# Altium PCB RK_NVR_DEMO1_RK3588_LP4XD200P232SD8_V21_20211228_final_lint.PcbDoc (part 25 of 29)
Units mm, origin at the board's own origin, x right, y up, seen from the top; angles counter-clockwise.
Board outline 170.08 x 169.98 mm, 8 copper layers (TOP, L2-GND1, L3-POWER1, L4-S1, L5-GND2, L6-S2, L7-GND3, BOTTOM), stack 2.118 mm thick; 1650 components, 1119 nets, 6165 pads, 15417 vias.
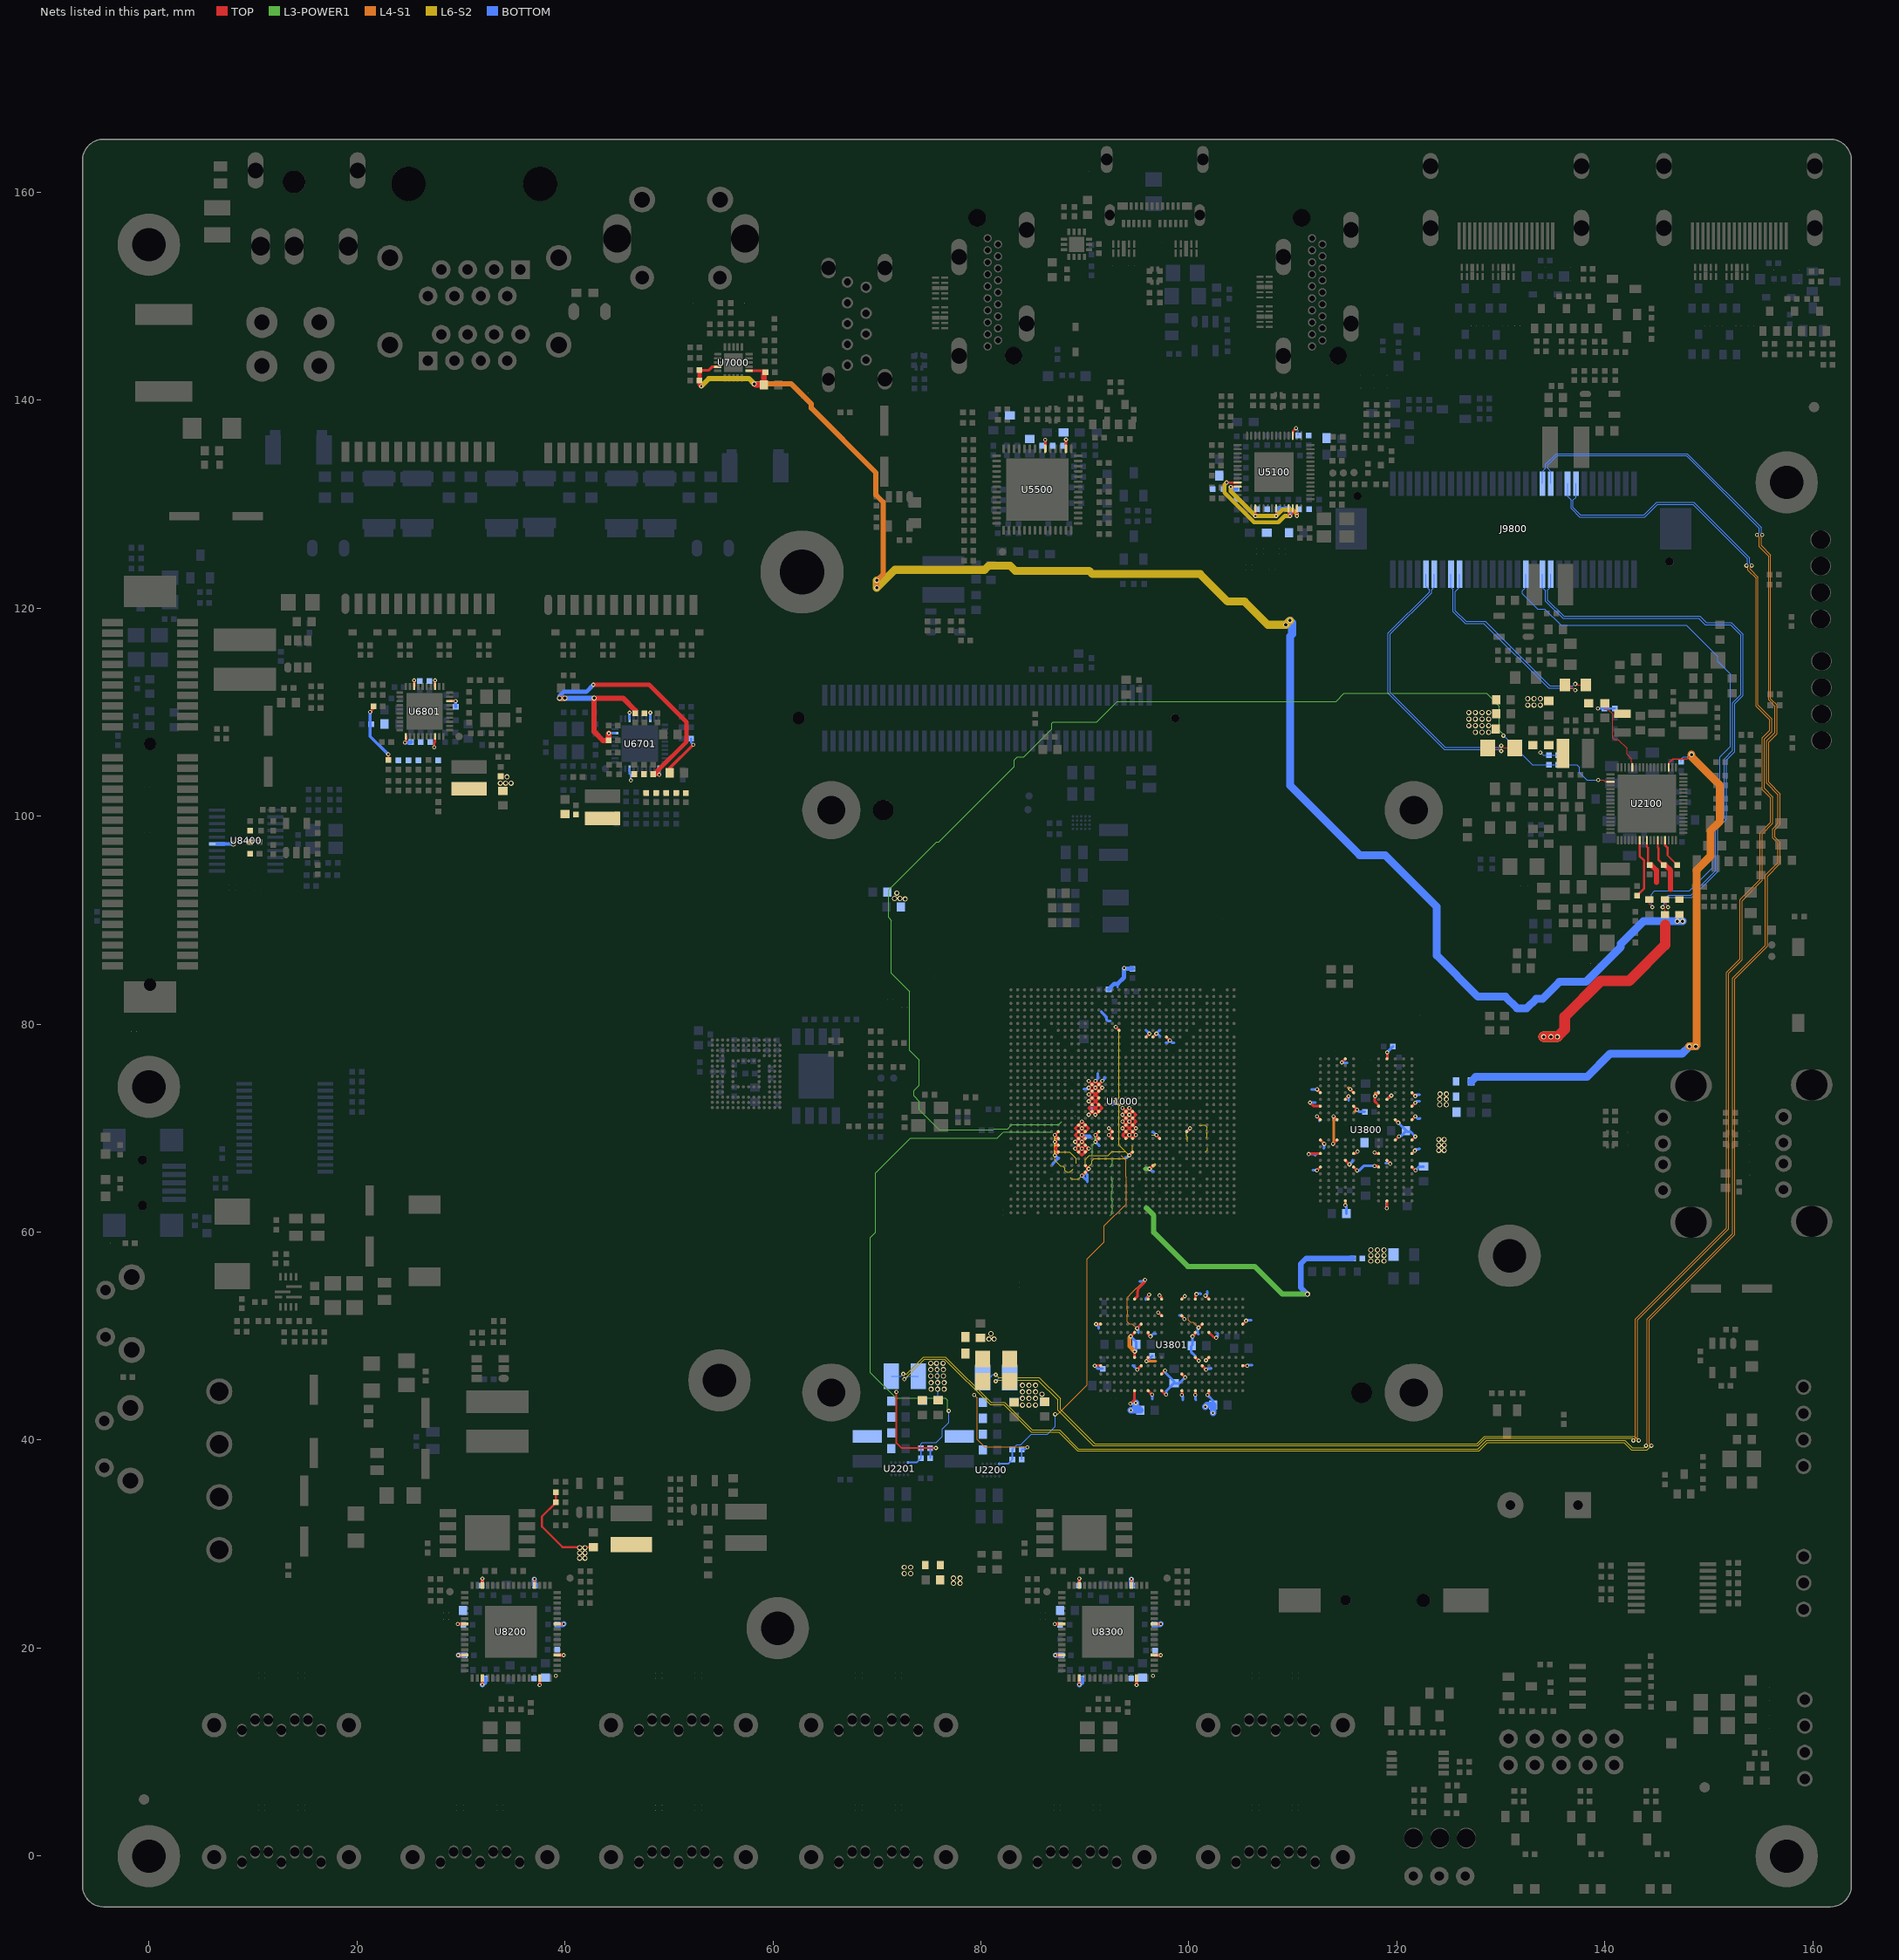
[diagram p31: the nets of this part, all layers, seen from the top]

## Via types
v1: diameter 0.4, hole 0.2, TOP to BOTTOM, 1688 vias
v2: diameter 0.4/0.4 (per signal layer), hole 0.2, TOP to L2-GND1, 1605 vias
v3: diameter 0/0/0/0/0/0/0/0.4 (per signal layer), hole 0.2, TOP to BOTTOM, 1253 vias
v4: diameter 0.4/0/0/0/0/0/0/0 (per signal layer), hole 0.2, TOP to BOTTOM, 1253 vias
v5: diameter 0.5, hole 0.3, TOP to BOTTOM, 857 vias
v6: diameter 0.4/0.4/0.4/0.4/0.4 (per signal layer), hole 0.2, L4-S1 to BOTTOM, 836 vias
v7: diameter 0/0/0/0/0/0/0/0.5 (per signal layer), hole 0.3, TOP to BOTTOM, 772 vias
v8: diameter 0.5/0/0/0/0/0/0/0 (per signal layer), hole 0.3, TOP to BOTTOM, 772 vias
v9: diameter 0.5/0.5 (per signal layer), hole 0.3, TOP to L2-GND1, 766 vias
v10: diameter 0.4/0.4 (per signal layer), hole 0.2, L7-GND3 to BOTTOM, 611 vias
v11: diameter 0.4/0.4/0.4/0.4 (per signal layer), hole 0.2, L5-GND2 to BOTTOM, 579 vias
v12: diameter 0.4 (per signal layer), hole 0.2, L6-S2 to L6-S2, 535 vias
v13: diameter 0.5/0.5/0.5/0.5/0.5 (per signal layer), hole 0.3, L4-S1 to BOTTOM, 457 vias
v14: diameter 0.5/0.5/0.5/0.5 (per signal layer), hole 0.3, L5-GND2 to BOTTOM, 455 vias
v15: diameter 0.4 (per signal layer), hole 0.2, L5-GND2 to L5-GND2, 418 vias
v16: diameter 0.5/0.5/0.5 (per signal layer), hole 0.3, TOP to L3-POWER1, 306 vias
v17: diameter 0.4 (per signal layer), hole 0.2, L4-S1 to L4-S1, 300 vias
v18: diameter 0.4/0.4/0.4 (per signal layer), hole 0.2, TOP to L3-POWER1, 287 vias
v19: diameter 0.5 (per signal layer), hole 0.3, L3-POWER1 to L3-POWER1, 242 vias
v20: diameter 0.5 (per signal layer), hole 0.3, L4-S1 to L4-S1, 240 vias
v21: diameter 0.5/0.5 (per signal layer), hole 0.3, L7-GND3 to BOTTOM, 192 vias
v22: diameter 0.5 (per signal layer), hole 0.3, L6-S2 to L6-S2, 166 vias
v23: diameter 0.4/0.4/0.4/0.4/0.4 (per signal layer), hole 0.2, TOP to L5-GND2, 134 vias
v24: diameter 0.5 (per signal layer), hole 0.3, L5-GND2 to L5-GND2, 114 vias
v25: diameter 0.5/0.5 (per signal layer), hole 0.3, L3-POWER1 to L4-S1, 111 vias
v26: diameter 0.4 (per signal layer), hole 0.2, L3-POWER1 to L3-POWER1, 93 vias
v27: diameter 0.4/0.4 (per signal layer), hole 0.2, L4-S1 to L5-GND2, 59 vias
v28: diameter 0.4/0.4/0/0/0.4/0/0.4/0.4 (per signal layer), hole 0.2, TOP to BOTTOM, 56 vias
v29: diameter 0.4/0/0/0.4/0/0/0/0.4 (per signal layer), hole 0.2, TOP to BOTTOM, 51 vias
v30: diameter 0.5/0.5 (per signal layer), hole 0.3, L4-S1 to L5-GND2, 46 vias
v31: diameter 0.4/0/0/0/0/0.4/0/0.4 (per signal layer), hole 0.2, TOP to BOTTOM, 42 vias
v32: diameter 0.5/0.5/0.5/0.5/0.5 (per signal layer), hole 0.3, TOP to L5-GND2, 32 vias
v33: diameter 0.4/0.4 (per signal layer), hole 0.2, L3-POWER1 to L4-S1, 29 vias
v34: diameter 0.4/0/0.4/0/0/0/0/0.4 (per signal layer), hole 0.2, TOP to BOTTOM, 29 vias
v35: diameter 0.4/0.4/0/0/0.4/0.4/0.4/0.4 (per signal layer), hole 0.2, TOP to BOTTOM, 21 vias
v36: diameter 0.5/0.5/0.5/0/0.5/0.5/0.5/0.5 (per signal layer), hole 0.3, TOP to BOTTOM, 4 vias
v37: diameter 0.5/0.5/0/0.5/0.5/0.5/0.5/0.5 (per signal layer), hole 0.3, TOP to BOTTOM, 3 vias
v38: diameter 0.4/0/0.4/0.4/0/0/0/0.4 (per signal layer), hole 0.2, TOP to BOTTOM, 2 vias
v39: diameter 0.4/0.4/0.4/0/0.4/0/0.4/0.4 (per signal layer), hole 0.2, TOP to BOTTOM, 1 vias

## Nets (pads, with @x,y where several pads share a name; then routed paths per layer and width w, separated by ;. In a path a pad name is that pad's centre, name@x,y a point inside that pad or via, vN(x,y) a via of type N, cw(c..) or ccw(c..) an arc to the next point about the centre after c; other vN are vias at no path point) (continued)
VCCA1V8_IMAGE_P: C2157.1 J9800.28 R2133.1 U2100.58 | length 59.7
  TOP w0.102: R2133.1@144.263,91.975 144.263,91.555 v4(144.568,91.25)
  TOP w0.203: C2157.1@143.107,92.374 143.781,93.048 143.781,95.72 143.338,96.163 U2100.58@143.338,97.703
  BOTTOM w0.102: J9800.28@132.408,123.273 132.408,121.99 132.071,121.654 132.071,121.389 133.534,119.926 134.205,119.926 135.78,118.352 147.845,118.352 150.842,115.354 150.842,114.897 152.087,113.653 152.087,106.718 151.071,105.702 151.071,99.911 150.359,99.2 150.359,95.032 148.127,92.799 144.771,92.799 144.467,92.494 144.467,91.351 v4(144.568,91.25)
  other v3: 144.568,91.25
VCCA1V8_PLDO6: C2158.1 R3800.2 U2100.20 | length 58.1
  TOP w0.14: U2100.20@146.138,104.703 146.138,105.096 146.523,105.48 147.902,105.48 v8(148.327,105.906)
  L4-S1 w0.762: v8(148.124,77.864) v8(148.734,77.864) 148.835,77.966 148.835,94.831 150.156,96.152 150.156,98.616 151.045,99.505 151.045,102.985 148.327,105.702 v8(148.327,105.906)
  BOTTOM w0.102: C2158.1@147.337,105.238 147.337,105.499 147.529,105.691 148.113,105.691 v8(148.327,105.906)
  BOTTOM w0.762: R3800.2@127.141,74.482 127.576,74.918 138.269,74.918 140.504,77.153 147.413,77.153 v8(148.124,77.864) v8(148.734,77.864)
  other v7: 148.124,77.864 148.734,77.864 148.327,105.906
  other v20: 148.124,77.864 148.734,77.864 148.327,105.906
VCCA3V3_PI6C_05: C8423.1 C8424.1 R8422.2 U8400.15 | length 1.6
  BOTTOM w0.305: U8400.15@6.564,97.325 v8(8.119,97.325)
  other v7: 8.119,97.325
VCCA_1V8: C1103.1 C1104.1 C1109.1 C1214.1 C1217.1 C1406.1 C1407.1 C1417.1 C1418.1 C1422.1 C1423.1 C1503.1 C1803.1 C1806.1 C1807.1 C1810.1 C1814.1 C1815.1 C1819.1 J9800.24 R1502.1 R1503.1 R2132.2 R9300.1 U1000.AG11 U1000.AG13 U1000.AG14 U1000.AH18 U1000.G23 U1000.H23 U1000.K16 U1000.K27 U1000.L27 U1000.M12 U1000.M27 U1000.N27 U1000.U18 | length 130.4
  TOP w0.102: v4(145.559,91.25) 145.762,91.047 R2132.2@145.762,90.525
  TOP w0.254: v4(87.116,67.381) U1000.K27@87.441,67.705 87.116,68.031 U1000.L27@87.441,68.356 v4(87.116,68.681) 87.441,69.006 v4(87.116,69.331) U1000.N27@87.441,69.656 ; v4(89.716,65.431) 90.041,65.756 v4(90.366,66.081) U1000.H23@90.041,66.406 ; v4(92.966,72.581) U1000.U18@93.291,72.256 ; v4(92.966,79.731) U1000.AH18@93.291,79.405 ; v4(94.265,67.381) U1000.K16@94.591,67.705 ; U1000.AG14@95.891,78.756 v4(96.215,79.081) ; U1000.AG13@96.541,78.756 v4(96.865,79.081) ; v4(96.865,69.332) U1000.M12@97.191,69.006 ; U1000.AG11@97.841,78.756 v4(98.165,78.431)
  TOP w1.016: v8(134.103,78.778) v8(134.815,78.778) v8(135.424,78.778) 136.135,79.49 136.135,80.709 139.59,84.163 142.333,84.163 145.787,87.618 145.787,89.548
  L6-S2 w0.089: 88.587,65.266 88.746,65.106 89.391,65.106 v4(89.716,65.431) ; 88.875,66.081 88.55,65.756 88.281,65.756 88.091,65.947 88.091,66.131 87.859,66.364 87.674,66.364 87.116,66.922 v4(87.116,67.381) 87.441,67.705 88.549,67.705 89.171,67.084 89.171,66.626 ; 90.04,66.597 90.04,66.973 90.441,67.374 92.219,67.374 92.6,67.755 93.892,67.755 ; v3@90.175,66.081 90.69,66.597 90.69,66.864 90.882,67.056 93.941,67.056 v4(94.265,67.381) 93.892,67.755 ; v4(92.966,79.731) 93.291,79.406 93.291,72.905 v4(92.966,72.581) 93.291,72.256 93.291,68.356 93.892,67.755 ; 94.378,67.602 94.581,67.806 94.581,67.888 94.59,67.897 94.59,68.165 94.581,68.175 94.581,68.314 ; 96.407,69.332 v4(96.865,69.332)
  L6-S2 w0.254: v4(87.116,67.381) 87.116,68.681 v4(87.116,69.331)
  L6-S2 w1.016: v8(134.103,78.778) v8(134.815,78.778) v8(135.424,78.778)
  BOTTOM w0.102: J9800.24@134.008,123.273 134.008,121.952 134.307,121.654 134.307,120.68 135.949,119.037 149.013,119.037 149.648,118.402 152.078,118.402 153.077,117.404 153.077,111.7 152.29,110.913 152.29,106.312 151.477,105.499 151.477,99.81 150.664,98.997 150.664,94.762 148.295,92.393 146.109,92.393 145.686,91.969 145.686,91.377 v4(145.559,91.25)
  BOTTOM w0.203: C1806.1@93.155,83.546 93.155,83.88
  BOTTOM w0.254: C1819.1@86.91,66.523 86.91,66.566 87.493,67.149 87.348,67.149 v4(87.116,67.381) 87.202,67.467 C1803.1@87.202,68.009 87.202,68.594 v4(87.116,68.681) 87.333,68.898 87.499,68.898 87.499,68.948 v4(87.116,69.331) ; C1807.1@90.225,64.834 90.225,64.922 ; v4(90.366,66.081) 90.093,65.808 90.093,65.672 ; R9300.1@91.588,81.217 91.588,81.162 92.088,80.662 C1503.1@92.088,80.582 ; 92.088,80.564 92.088,80.404 92.19,80.302 92.435,80.302 ; C1109.1@92.65,72.25 92.65,72.264 v4(92.966,72.581) ; C1214.1@93.866,67.152 94.037,67.152 v4(94.265,67.381) ; 95.843,78.809 95.944,78.809 v4(96.215,79.081) 95.887,79.409 95.843,79.409 ; C1217.1@96.478,69.605 96.592,69.605 v4(96.865,69.332) ; 97.223,78.834 96.976,79.081 v4(96.865,79.081) 97.219,79.434 97.248,79.434 ; C1418.1@97.778,78.207 97.941,78.207 v4(98.165,78.431) 98.39,78.207 C1417.1@98.573,78.207 ; 90.093,65.672 90.225,65.54 90.225,64.922 ; 90.093,65.672 89.852,65.431 v4(89.716,65.431) 90.225,64.922
  BOTTOM w0.406: R1502.1@92.288,83.35 92.817,83.88 93.155,83.88 93.768,84.493 v4(93.768,85.382) 93.826,85.324 R1503.1@94.581,85.324
  other v3: 89.716,65.431 90.366,66.081 87.116,67.381 94.265,67.381 87.116,68.681 87.116,69.331 96.865,69.332 92.966,72.581 98.165,78.431 96.215,79.081 96.865,79.081 92.966,79.731 93.768,85.382 145.559,91.25
  other v7: 134.103,78.778 134.815,78.778 135.424,78.778
  other v12: 89.716,65.431 90.366,66.081 87.116,67.381 94.265,67.381 87.116,68.681 87.116,69.331 96.865,69.332 92.966,72.581 98.165,78.431 96.215,79.081 96.865,79.081 92.966,79.731 93.768,85.382
  other v22: 134.103,78.778 134.815,78.778 135.424,78.778
VCCA_1V8_P: C2155.1 J9800.22 R2132.1 U2100.60 | length 58.8
  TOP w0.102: R2132.1@145.762,91.975 145.762,91.555 v4(146.067,91.25)
  TOP w0.203: U2100.60@144.038,97.703 144.038,97.054 144.151,96.941 144.151,95.871 144.155,95.866 144.155,95.453 C2155.1@144.302,95.307
  TOP w0.508: C2155.1@144.302,95.307 144.454,95.307 144.962,94.799 144.962,93.619
  BOTTOM w0.102: J9800.22@134.808,123.273 134.808,122.053 134.51,121.755 134.51,120.765 136.034,119.241 149.115,119.241 149.75,118.606 152.163,118.606 153.28,117.488 153.28,111.615 152.493,110.828 152.493,106.21 151.68,105.398 151.68,99.708 150.867,98.895 150.867,94.677 148.379,92.19 146.194,92.19 145.889,91.885 145.889,91.428 v4(146.067,91.25)
  other v3: 146.067,91.25
VCCA_3V3: C7008.1 C7009.1 C7010.1 C7011.1 R2135.2 U7000.4 U7000.11 | length 153.5
  TOP w0.254: C7008.1@52.943,142.888 53.839,142.888 54.176,143.225 U7000.4@54.701,143.225 ; U7000.11@57.702,142.824 59.142,142.824 C7010.1@59.282,142.685
  TOP w0.406: C7008.1@52.943,142.888 C7009.1@52.943,141.877 52.943,141.522 v4(53.115,141.351)
  TOP w0.508: v8(58.208,141.567) 58.31,141.466 C7011.1@59.134,141.466 59.134,142.536 C7010.1@59.282,142.685
  L4-S1 w0.508: v8(58.208,141.567) 61.764,141.567 63.695,139.637 63.695,139.23 69.892,133.033 69.892,130.899 70.603,130.188 70.603,123.279 v8(69.994,122.67) v8(69.994,121.958)
  L6-S2 w0.508: v4(53.115,141.351) 53.839,142.075 57.7,142.075 v8(58.208,141.567)
  L6-S2 w0.762: v8(69.994,122.67) v8(69.994,121.958) 71.721,123.686 80.357,123.686 80.763,124.092 82.795,124.092 83.303,123.584 90.415,123.584 90.72,123.279 101.083,123.279 103.725,120.638 105.351,120.638 107.586,118.402 v8(109.313,118.402) v8(109.719,118.809)
  BOTTOM w0.762: v8(109.313,118.402) v8(109.719,118.809) 109.923,118.606 109.923,117.488 109.719,117.285 109.719,102.959 116.425,96.254 118.863,96.254 123.842,91.275 123.842,86.602 127.804,82.639 130.446,82.639 131.563,81.522 132.478,81.522 133.392,82.436 134.002,82.436 135.627,84.062 138.167,84.062 141.52,87.414 141.52,87.719 143.7,89.899 v8(146.956,89.899) v8(147.464,89.899)
  other v3: 53.115,141.351
  other v7: 146.956,89.899 147.464,89.899 109.313,118.402 109.719,118.809 69.994,121.958 69.994,122.67 58.208,141.567
  other v12: 53.115,141.351
  other v20: 69.994,121.958 69.994,122.67 58.208,141.567
  other v22: 109.313,118.402 109.719,118.809 69.994,121.958 69.994,122.67 58.208,141.567
VCCA_3V3_P: C2160.1 R2135.1 U2100.63 | length 5.3
  TOP w0.203: U2100.63@145.088,97.703 145.088,96.973 145.161,96.9 145.161,95.781 C2160.1@145.635,95.307
  TOP w0.508: C2160.1@145.635,95.307 145.788,95.307 146.313,94.782 146.313,92.988
VCCA_ASPVCC33: C5115.1 C5116.1 C5117.1 C5118.1 FB5101.2 U5100.24 U5100.39 U5100.40 | length 13.2
  TOP w0.203: v4(103.623,132.081) U5100.24@104.688,132.081 ; U5100.39@109.588,129.58 109.588,128.998 v4(109.719,128.867) 109.988,129.136 U5100.40@109.988,129.58
  L6-S2 w0.406: v4(103.623,132.081) 103.42,131.877 103.42,131.102 106.265,128.258 108.602,128.258 109.211,128.867 v4(109.719,128.867)
  BOTTOM w0.406: C5117.1@108.548,129.529 C5118.1@109.551,129.529 109.719,129.361 v4(109.719,128.867)
  other v3: 109.719,128.867 103.623,132.081
  other v12: 109.719,128.867 103.623,132.081
VCCA_PVCC33_6161: C5508.1 C5509.1 FB5500.2 U5500.30 | length 0.9
  TOP w0.254: U5500.30@88.187,135.332 v4(88.187,136.204)
  other v3: 88.187,136.204
VCCA_TPVCC33: C5110.1 C5111.1 FB5100.2 U5100.3 | length 1.7
  TOP w0.203: U5100.3@109.988,136.581 109.988,136.995 v4(110.293,137.3)
  BOTTOM w0.102: v4(110.293,137.3) 110.528,137.065 C5110.1@110.528,136.585
  other v3: 110.293,137.3
VCCIO_PHY0: C6709.1 C6710.1 C6711.1 R6723.1 R6727.1 R6729.1 R6730.2 R6732.1 R6735.1 U6701.28 | length 5.8
  TOP w0.305: C6709.1@50.245,104.336 C6709.1@50.063,104.154 50.063,104.593 v4(52.341,106.871)
  BOTTOM w0.203: U6701.28@46.21,104.572 46.21,104.086 46.321,103.975 46.321,103.463 v4(46.342,103.442) ; R6735.1@52.13,107.466 52.13,107.082 v4(52.341,106.871)
  other v3: 46.342,103.442 52.341,106.871
VCCIO_PHY1: C6808.1 C6809.1 C6810.1 R6822.1 R6824.1 R6827.1 R6829.1 R6830.2 R6832.1 R6835.1 U6801.28 | length 7.1
  TOP w0.203: v4(21.277,110.02) 21.589,110.333 R6835.1@21.589,110.564 ; R6822.1@23.013,105.385 v4(23.013,105.94) ; v4(27.43,106.617) 27.43,107.049 27.509,107.128 U6801.28@27.509,107.671
  BOTTOM w0.305: v4(21.277,110.02) 21.277,107.676 v4(23.013,105.94)
  other v3: 23.013,105.94 27.43,106.617 21.277,110.02
VCCIO_SD_P: C2163.1 U2100.65 | length 2.9
  TOP w0.152: 146.016,96.355 146.016,96.234 C2163.1@146.944,95.307
  TOP w0.203: U2100.65@145.788,97.703 145.788,97.192 146.016,96.965 146.016,96.355
VDD1_1V8_DDR: C3800.1 C3801.1 C3802.1 C3803.1 C3804.1 C3805.1 C3806.1 C3807.1 C3808.1 C3845.1 C3846.1 C3847.1 C3848.1 C3849.1 C3850.1 C3851.1 C3852.1 C3853.1 R3800.1 R3803.1 U3800.F1 U3800.F12 U3800.G4 U3800.G9 U3800.T4 U3800.T9 U3800.U1 U3800.U12 U3801.F1 U3801.F12 U3801.G4 U3801.G9 U3801.T4 U3801.T9 U3801.U1 U3801.U12 | length 22.7
  TOP w0.254: v4(95.039,46.774) U3801.T9@95.421,47.156 ; v4(112.297,65.939) 112.323,65.939 U3800.U1@112.641,66.256 ; v4(112.323,73.724) U3800.F1@112.641,73.407 ; U3800.G4@115.041,72.757 v4(115.353,73.069) ; U3800.F12@121.441,73.407 v4(121.766,73.082)
  L4-S1 w0.102: v29(95.02,50.742) 94.982,50.742 94.531,51.193 94.266,51.193 94.072,51.387 94.072,52.088 94.127,52.144 94.127,52.418 94.072,52.473 94.072,53.708 94.132,53.767 94.143,53.767 94.337,53.961 94.337,53.972 v29(95.775,55.41) ; 99.944,51.811 99.944,51.537 100.138,51.343 100.401,51.343 v29(100.93,50.814)
  BOTTOM w0.254: C3849.1@94.606,47.185 94.788,47.003 94.81,47.003 v4(95.039,46.774) ; v29(95.02,50.742) 95.02,50.729 95.144,50.606 C3852.1@95.144,50.305 ; C3853.1@95.267,55.254 95.619,55.254 v29(95.775,55.41) ; v29(100.93,50.814) 100.93,50.789 100.853,50.713 100.853,50.257 C3851.1@100.932,50.179 ; v29(101.591,53.886) 101.769,54.064 C3847.1@101.769,54.297 ; v29(101.647,46.78) 101.744,46.877 102.121,46.877 C3850.1@102.121,46.902 ; C3848.1@101.896,44.739 101.896,44.438 v29(101.791,44.332) 102.314,43.809 C3846.1@102.314,43.371 ; C3808.1@111.773,73.724 v4(112.323,73.724) ; C3806.1@111.9,65.977 112.259,65.977 v4(112.297,65.939) ; C3804.1@115.337,72.657 115.353,72.673 v4(115.353,73.069) ; v29(115.436,66.511) 115.743,66.819 C3803.1@115.743,66.917 ; C3807.1@118.907,66.634 119.313,66.634 v29(119.366,66.582) ; C3805.1@119.037,72.796 119.165,72.924 119.232,72.924 119.435,73.127 v29(119.46,73.127) ; v4(121.766,73.082) 121.904,73.22 C3802.1@122.191,73.22 ; v29(121.791,65.932) 121.791,65.957 122.13,66.296 C3800.1@122.572,66.296
  BOTTOM w0.635: v4(94.429,42.863) C3845.1@95.329,42.863 94.886,43.306 v4(94.886,43.574) ; v4(101.591,43.218) 101.744,43.371 C3846.1@102.314,43.371 v4(102.314,42.62)
  other v3: 102.314,42.62 94.429,42.863 101.591,43.218 94.886,43.574 95.039,46.774 112.297,65.939 115.353,73.069 121.766,73.082 112.323,73.724
  other v7: 124.02,67.856 124.553,67.856 124.02,68.364 124.553,68.364 124.02,68.898 124.553,68.898 124.121,72.251 124.756,72.251 124.121,72.784 124.756,72.784 124.147,73.292 124.756,73.292
  other v8: 124.02,67.856 124.553,67.856 124.02,68.364 124.553,68.364 124.02,68.898 124.553,68.898 124.121,72.251 124.756,72.251 124.121,72.784 124.756,72.784 124.147,73.292 124.756,73.292
  other v17: 102.314,42.62 94.429,42.863 101.591,43.218 94.886,43.574 95.039,46.774 112.297,65.939 115.353,73.069 121.766,73.082 112.323,73.724
  other v20: 124.02,67.856 124.553,67.856 124.02,68.364 124.553,68.364 124.02,68.898 124.553,68.898 124.121,72.251 124.756,72.251 124.121,72.784 124.756,72.784 124.147,73.292 124.756,73.292
  other v29: 94.378,43.498
VDD1V2_SATAPM0: C8243.1 C8244.1 C8245.1 C8246.1 C8247.1 C8248.1 C8249.1 C8250.1 C8251.1 C8252.1 C8253.1 C8254.1 L8201.2 R8216.1 R8312.1 U8200.4 U8200.14 U8200.23 U8200.29 U8200.35 U8200.46 U8200.52 U8200.58 | length 17.4
  TOP w0.203: C8243.1@39.14,35 R8216.1@39.14,34.015 37.787,32.662 37.787,31.687 39.758,29.715 C8244.1@42.736,29.715
  TOP w0.305: v4(29.696,22.328) U8200.23@30.365,22.328 ; v4(29.749,19.328) U8200.29@30.365,19.328 ; v4(32.065,16.491) U8200.35@32.065,17.127 ; U8200.14@32.065,26.028 v4(32.065,26.69) ; U8200.4@37.065,26.028 v4(37.065,26.632) ; v4(37.565,16.447) U8200.46@37.565,17.127 ; U8200.52@39.265,19.328 v4(39.895,19.328) ; U8200.58@39.265,22.328 v4(39.895,22.328)
  BOTTOM w0.508: v4(29.749,19.328) 29.775,19.328 29.784,19.318 C8249.1@30.352,19.318 ; v4(32.065,16.491) 32.273,16.699 C8247.1@32.273,17.075 ; v4(37.065,26.632) 37.065,26.063 C8254.1@37.127,26 ; C8253.1@39.261,22.262 39.829,22.262 v4(39.895,22.328)
  other v3: 37.565,16.447 32.065,16.491 39.133,17.336 29.749,19.328 39.895,19.328 29.696,22.328 39.895,22.328 37.065,26.632 32.065,26.69
  other v4: 39.133,17.336
  other v7: 72.635,27.166 73.245,27.166 72.635,27.775 73.245,27.775 41.419,28.639 41.927,28.639 41.419,29.147 41.927,29.147 41.419,29.655 41.927,29.655
  other v8: 72.635,27.166 73.245,27.166 72.635,27.775 73.245,27.775 41.419,28.639 41.927,28.639 41.419,29.147 41.927,29.147 41.419,29.655 41.927,29.655
  other v17: 37.565,16.447 32.065,16.491 39.133,17.336 29.749,19.328 39.895,19.328 29.696,22.328 39.895,22.328 37.065,26.632 32.065,26.69
  other v20: 41.419,28.639 41.927,28.639 41.419,29.147 41.927,29.147 41.419,29.655 41.927,29.655
  other v22: 72.635,27.166 73.245,27.166 72.635,27.775 73.245,27.775 41.927,28.639 41.927,29.147 41.927,29.655
VDD1V2_SATAPM1: C8339.1 C8340.1 C8341.1 C8342.1 C8343.1 C8344.1 C8345.1 C8346.1 C8347.1 C8348.1 C8349.1 R8312.2 U8300.4 U8300.14 U8300.23 U8300.29 U8300.35 U8300.46 U8300.52 U8300.58 | length 7.7
  TOP w0.305: v4(87.1,22.328) U8300.23@87.769,22.328 ; v4(87.153,19.328) U8300.29@87.769,19.328 ; v4(89.469,16.491) U8300.35@89.469,17.127 ; U8300.14@89.469,26.028 v4(89.469,26.69) ; U8300.4@94.469,26.028 v4(94.469,26.632) ; v4(94.969,16.447) U8300.46@94.969,17.127 ; U8300.52@96.669,19.328 v4(97.299,19.328) ; U8300.58@96.669,22.328 v4(97.299,22.328)
  BOTTOM w0.508: v4(87.153,19.328) 87.179,19.328 87.188,19.318 C8342.1@87.756,19.318 ; v4(89.469,16.491) 89.677,16.699 C8343.1@89.677,17.075 ; v4(94.469,26.632) 94.469,26.063 C8349.1@94.531,26 ; C8348.1@96.665,22.262 97.233,22.262 v4(97.299,22.328)

## Text inside footprints (layer, text, board x,y; h text height)
D6806: PIN_NUMBER "2" at 25.569,129.36 h0.25 r270; PIN_NUMBER "1" at 25.569,133.86 h0.25 r270; ASSEMBLY_TOP "BA301N" at 25.163,130.213 h0.25 r180; Bottom Overlay "BA301N" at 27.169,131.229 h0.25 r270
D6807: PIN_NUMBER "2" at 33.697,129.36 h0.25 r270; PIN_NUMBER "1" at 33.697,133.86 h0.25 r270; ASSEMBLY_TOP "BA301N" at 33.291,130.213 h0.25 r180; Bottom Overlay "BA301N" at 35.297,131.229 h0.25 r270
D7000: PIN_NUMBER "2" at 50.982,149.314 h0.25 r180; PIN_NUMBER "1" at 52.239,149.334 h0.25 r180; ASSEMBLY_TOP "ESD5451N" at 50.893,149.187 h0.25
D7001: PIN_NUMBER "2" at 58.424,149.354 h0.25; PIN_NUMBER "1" at 57.167,149.334 h0.25; ASSEMBLY_TOP "ESD5451N" at 57.091,149.227 h0.25
D9100: PIN_NUMBER "2" at 5.059,66.768 h0.25 r90; PIN_NUMBER "1" at 5.039,65.511 h0.25 r90; ASSEMBLY_TOP "ESD5341N" at 4.474,66.146 h0.25 r270
D9101: PIN_NUMBER "2" at 5.059,62.639 h0.25 r270; PIN_NUMBER "1" at 5.078,63.897 h0.25 r270; ASSEMBLY_TOP "ESD5341N" at 4.474,63.262 h0.25 r270
D9102: PIN_NUMBER "2" at 157.79,124.933 h0.25 r90; PIN_NUMBER "1" at 157.81,123.676 h0.25 r90; ASSEMBLY_TOP "ESD5341N" at 157.206,124.311 h0.25 r90
D9103: PIN_NUMBER "2" at 157.79,120.711 h0.25 r270; PIN_NUMBER "1" at 157.77,121.968 h0.25 r270; ASSEMBLY_TOP "ESD5341N" at 157.206,121.333 h0.25 r90
D9104: PIN_NUMBER "2" at 157.94,113.198 h0.25 r90; PIN_NUMBER "1" at 157.96,111.941 h0.25 r90; ASSEMBLY_TOP "ESD5341N" at 157.356,112.576 h0.25 r90
D9105: PIN_NUMBER "2" at 157.94,108.976 h0.25 r270; PIN_NUMBER "1" at 157.92,110.233 h0.25 r270; ASSEMBLY_TOP "ESD5341N" at 157.356,109.598 h0.25 r90
D9200: PIN_NUMBER "2" at -5.07,58.931 h0.25 r180; PIN_NUMBER "1" at -3.812,58.951 h0.25 r180; ASSEMBLY_TOP "ESD5451N" at -5.158,58.804 h0.25
D9201: PIN_NUMBER "2" at -5.298,46.054 h0.25 r180; PIN_NUMBER "1" at -4.041,46.073 h0.25 r180; ASSEMBLY_TOP "ESD5451N" at -5.387,45.927 h0.25
D9502: PIN_NUMBER "1" at 146.143,10.837 h0.64 r90; PIN_NUMBER "2" at 146.143,14.437 h0.64 r90; ASSEMBLY_TOP "B5819W" at 146.397,12.637 h0.64 r90
ED2100: PIN_NUMBER "2" at 145.144,97.913 h0.25 r135; PIN_NUMBER "1" at 146.019,97.01 h0.25 r135; ASSEMBLY_TOP "AZ5825-01F" at 144.67,97.346 h0.25 r180
ED2500: PIN_NUMBER "8" at 99.47,154.177 h0.64 r180; PIN_NUMBER "3" at 99.47,154.967 h0.64 r180; PIN_NUMBER "4" at 98.97,155.009 h0.64 r180; PIN_NUMBER "7" at 98.97,154.135 h0.64 r180; PIN_NUMBER "5" at 98.47,155.009 h0.64 r180; PIN_NUMBER "6" at 98.47,154.135 h0.64 r180; PIN_NUMBER "9" at 99.97,154.135 h0.64 r180; PIN_NUMBER "2" at 99.97,155.009 h0.64 r180; PIN_NUMBER "10" at 100.216,154.135 h0.64 r180; PIN_NUMBER "1" at 100.47,155.009 h0.64 r180; ASSEMBLY_TOP "ESD73034D" at 98.81,154.445 h0.25
ED2501: PIN_NUMBER "8" at 93.476,154.177 h0.64 r180; PIN_NUMBER "3" at 93.476,154.967 h0.64 r180; PIN_NUMBER "4" at 92.976,155.009 h0.64 r180; PIN_NUMBER "7" at 92.976,154.135 h0.64 r180; PIN_NUMBER "1" at 94.476,155.009 h0.64 r180; PIN_NUMBER "10" at 94.222,154.135 h0.64 r180; PIN_NUMBER "2" at 93.975,155.009 h0.64 r180; PIN_NUMBER "9" at 93.975,154.135 h0.64 r180; PIN_NUMBER "5" at 92.476,155.009 h0.64 r180; PIN_NUMBER "6" at 92.476,154.135 h0.64 r180; ASSEMBLY_TOP "ESD73034D" at 92.815,154.445 h0.25
ED5000: PIN_NUMBER "3" at 149.433,151.942 h0.64; PIN_NUMBER "8" at 149.433,152.732 h0.64; PIN_NUMBER "9" at 148.933,152.774 h0.64; PIN_NUMBER "2" at 148.933,151.899 h0.64; PIN_NUMBER "10" at 148.179,152.774 h0.64; PIN_NUMBER "1" at 148.433,151.899 h0.64; PIN_NUMBER "6" at 150.433,152.774 h0.64; PIN_NUMBER "5" at 150.433,151.899 h0.64; PIN_NUMBER "7" at 149.933,152.774 h0.64; PIN_NUMBER "4" at 149.933,151.899 h0.64; ASSEMBLY_TOP "ESD73034D" at 148.772,152.21 h0.25
ED5001: PIN_NUMBER "3" at 152.435,151.942 h0.64; PIN_NUMBER "8" at 152.435,152.732 h0.64; PIN_NUMBER "7" at 152.935,152.774 h0.64; PIN_NUMBER "4" at 152.935,151.899 h0.64; PIN_NUMBER "9" at 151.935,152.774 h0.64; PIN_NUMBER "2" at 151.935,151.899 h0.64; PIN_NUMBER "10" at 151.181,152.774 h0.64; PIN_NUMBER "1" at 151.435,151.899 h0.64; PIN_NUMBER "5" at 153.435,151.899 h0.64; PIN_NUMBER "6" at 153.435,152.774 h0.64; ASSEMBLY_TOP "ESD73034D" at 151.775,152.21 h0.25
ED5002: PIN_NUMBER "2" at 158.577,151.257 h0.25 r270; PIN_NUMBER "1" at 158.557,152.515 h0.25 r270; ASSEMBLY_TOP "ESD5341N" at 157.993,151.88 h0.25 r90
ED5003: PIN_NUMBER "2" at 157.426,151.245 h0.25 r270; PIN_NUMBER "1" at 157.406,152.503 h0.25 r270; ASSEMBLY_TOP "ESD5341N" at 156.841,151.868 h0.25 r90
ED5004: PIN_NUMBER "2" at 156.164,151.257 h0.25 r270; PIN_NUMBER "1" at 156.144,152.515 h0.25 r270; ASSEMBLY_TOP "ESD5341N" at 155.58,151.88 h0.25 r90
ED5005: PIN_NUMBER "2" at 154.962,151.245 h0.25 r270; PIN_NUMBER "1" at 154.942,152.503 h0.25 r270; ASSEMBLY_TOP "ESD5341N" at 154.378,151.868 h0.25 r90
ED5006: PIN_NUMBER "3" at 126.979,151.942 h0.64; PIN_NUMBER "8" at 126.979,152.732 h0.64; PIN_NUMBER "7" at 127.479,152.774 h0.64; PIN_NUMBER "4" at 127.479,151.899 h0.64; PIN_NUMBER "9" at 126.479,152.774 h0.64; PIN_NUMBER "2" at 126.479,151.899 h0.64; PIN_NUMBER "10" at 125.725,152.774 h0.64; PIN_NUMBER "1" at 125.979,151.899 h0.64; PIN_NUMBER "6" at 127.979,152.774 h0.64; PIN_NUMBER "5" at 127.979,151.899 h0.64; ASSEMBLY_TOP "ESD73034D" at 126.319,152.21 h0.25
ED5007: PIN_NUMBER "8" at 129.981,152.732 h0.64; PIN_NUMBER "3" at 129.981,151.942 h0.64; PIN_NUMBER "9" at 129.482,152.774 h0.64; PIN_NUMBER "2" at 129.482,151.899 h0.64; PIN_NUMBER "7" at 130.481,152.774 h0.64; PIN_NUMBER "4" at 130.481,151.899 h0.64; PIN_NUMBER "6" at 130.981,152.774 h0.64; PIN_NUMBER "5" at 130.981,151.899 h0.64; PIN_NUMBER "10" at 128.727,152.774 h0.64; PIN_NUMBER "1" at 128.981,151.899 h0.64; ASSEMBLY_TOP "ESD73034D" at 129.321,152.21 h0.25
ED5008: PIN_NUMBER "2" at 136.631,151.511 h0.25 r270; PIN_NUMBER "1" at 136.611,152.769 h0.25 r270; ASSEMBLY_TOP "ESD5341N" at 136.047,152.134 h0.25 r90
ED5009: PIN_NUMBER "2" at 135.48,151.499 h0.25 r270; PIN_NUMBER "1" at 135.46,152.757 h0.25 r270; ASSEMBLY_TOP "ESD5341N" at 134.896,152.122 h0.25 r90
ED5010: PIN_NUMBER "2" at 134.218,151.511 h0.25 r270; PIN_NUMBER "1" at 134.198,152.769 h0.25 r270; ASSEMBLY_TOP "ESD5341N" at 133.634,152.134 h0.25 r90
ED5011: PIN_NUMBER "2" at 133.016,151.499 h0.25 r270; PIN_NUMBER "1" at 132.996,152.757 h0.25 r270; ASSEMBLY_TOP "ESD5341N" at 132.432,152.122 h0.25 r90
ED5100: PIN_NUMBER "8" at 107.422,150.876 h0.64 r270; PIN_NUMBER "3" at 106.632,150.876 h0.64 r270; PIN_NUMBER "2" at 106.59,151.376 h0.64 r270; PIN_NUMBER "9" at 107.464,151.376 h0.64 r270; PIN_NUMBER "4" at 106.59,150.376 h0.64 r270; PIN_NUMBER "7" at 107.464,150.376 h0.64 r270; PIN_NUMBER "5" at 106.59,149.876 h0.64 r270; PIN_NUMBER "6" at 107.464,149.876 h0.64 r270; PIN_NUMBER "1" at 106.59,151.876 h0.64 r270; PIN_NUMBER "10" at 107.21,151.876 h0.64 r270; ASSEMBLY_TOP "ESD73034D" at 106.494,150.876 h0.25 r90
ED5101: PIN_NUMBER "8" at 107.422,148.031 h0.64 r270; PIN_NUMBER "3" at 106.632,148.031 h0.64 r270; PIN_NUMBER "1" at 106.59,149.031 h0.64 r270; PIN_NUMBER "10" at 107.21,149.031 h0.64 r270; PIN_NUMBER "4" at 106.59,147.531 h0.64 r270; PIN_NUMBER "7" at 107.464,147.531 h0.64 r270; PIN_NUMBER "5" at 106.59,147.031 h0.64 r270; PIN_NUMBER "6" at 107.464,147.031 h0.64 r270; PIN_NUMBER "2" at 106.59,148.531 h0.64 r270; PIN_NUMBER "9" at 107.464,148.531 h0.64 r270; ASSEMBLY_TOP "ESD73034D" at 106.494,148.031 h0.25 r90
ED5102: PIN_NUMBER "2" at 116.425,141.148 h0.25 r270; PIN_NUMBER "1" at 116.405,142.405 h0.25 r270; ASSEMBLY_TOP "ESD5341N" at 115.841,141.77 h0.25 r90
ED5103: PIN_NUMBER "2" at 118.965,141.148 h0.25 r270; PIN_NUMBER "1" at 118.945,142.405 h0.25 r270; ASSEMBLY_TOP "ESD5341N" at 118.381,141.77 h0.25 r90
ED5104: PIN_NUMBER "2" at 117.695,141.148 h0.25 r270; PIN_NUMBER "1" at 117.675,142.405 h0.25 r270; ASSEMBLY_TOP "ESD5341N" at 117.111,141.77 h0.25 r90
ED5500: PIN_NUMBER "3" at 75.441,150.774 h0.64 r270; PIN_NUMBER "8" at 76.231,150.774 h0.64 r270; PIN_NUMBER "2" at 75.398,151.274 h0.64 r270; PIN_NUMBER "9" at 76.273,151.274 h0.64 r270; PIN_NUMBER "4" at 75.398,150.274 h0.64 r270; PIN_NUMBER "7" at 76.273,150.274 h0.64 r270; PIN_NUMBER "5" at 75.398,149.774 h0.64 r270; PIN_NUMBER "6" at 76.273,149.774 h0.64 r270; PIN_NUMBER "1" at 75.398,151.774 h0.64 r270; PIN_NUMBER "10" at 76.019,151.774 h0.64 r270; ASSEMBLY_TOP "ESD73034D" at 75.302,150.774 h0.25 r90
ED5501: PIN_NUMBER "3" at 75.441,147.929 h0.64 r270; PIN_NUMBER "8" at 76.231,147.929 h0.64 r270; PIN_NUMBER "1" at 75.398,148.929 h0.64 r270; PIN_NUMBER "10" at 76.019,148.929 h0.64 r270; PIN_NUMBER "4" at 75.398,147.429 h0.64 r270; PIN_NUMBER "7" at 76.273,147.429 h0.64 r270; PIN_NUMBER "2" at 75.398,148.429 h0.64 r270; PIN_NUMBER "9" at 76.273,148.429 h0.64 r270; PIN_NUMBER "5" at 75.398,146.929 h0.64 r270; PIN_NUMBER "6" at 76.273,146.929 h0.64 r270; ASSEMBLY_TOP "ESD73034D" at 75.302,147.929 h0.25 r90
ED5502: PIN_NUMBER "2" at 87.266,141.554 h0.25 r270; PIN_NUMBER "1" at 87.246,142.812 h0.25 r270; ASSEMBLY_TOP "ESD5341N" at 86.682,142.177 h0.25 r90
ED5503: PIN_NUMBER "2" at 89.806,141.554 h0.25 r270; PIN_NUMBER "1" at 89.786,142.812 h0.25 r270; ASSEMBLY_TOP "ESD5341N" at 89.222,142.177 h0.25 r90
ED5504: PIN_NUMBER "2" at 88.536,141.554 h0.25 r270; PIN_NUMBER "1" at 88.516,142.812 h0.25 r270; ASSEMBLY_TOP "ESD5341N" at 87.952,142.177 h0.25 r90
ED5505: PIN_NUMBER "2" at 91.076,141.554 h0.25 r270; PIN_NUMBER "1" at 91.056,142.812 h0.25 r270; ASSEMBLY_TOP "ESD5341N" at 90.492,142.177 h0.25 r90
ED6700: PIN_NUMBER "2" at 50.43,117.661 h0.25 r180; PIN_NUMBER "1" at 52.829,117.661 h0.25 r180; ASSEMBLY_TOP "UDD32C03L01" at 50.614,117.534 h0.25
ED6701: PIN_NUMBER "2" at 46.62,117.661 h0.25 r180; PIN_NUMBER "1" at 49.019,117.661 h0.25 r180; ASSEMBLY_TOP "UDD32C03L01" at 46.804,117.534 h0.25
ED6702: PIN_NUMBER "1" at 45.209,117.661 h0.25 r180; PIN_NUMBER "2" at 42.81,117.661 h0.25 r180; ASSEMBLY_TOP "UDD32C03L01" at 42.994,117.534 h0.25
ED6703: PIN_NUMBER "2" at 39,117.661 h0.25 r180; PIN_NUMBER "1" at 41.399,117.661 h0.25 r180; ASSEMBLY_TOP "UDD32C03L01" at 39.184,117.534 h0.25
ED6800: PIN_NUMBER "1" at 19.492,117.661 h0.25; PIN_NUMBER "2" at 21.892,117.661 h0.25; ASSEMBLY_TOP "UDD32C03L01" at 19.676,117.534 h0.25
ED6801: PIN_NUMBER "1" at 23.302,117.661 h0.25; PIN_NUMBER "2" at 25.702,117.661 h0.25; ASSEMBLY_TOP "UDD32C03L01" at 23.486,117.534 h0.25
ED6802: PIN_NUMBER "1" at 27.112,117.661 h0.25; PIN_NUMBER "2" at 29.512,117.661 h0.25; ASSEMBLY_TOP "UDD32C03L01" at 27.296,117.534 h0.25
ED6803: PIN_NUMBER "1" at 30.922,117.661 h0.25; PIN_NUMBER "2" at 33.322,117.661 h0.25; ASSEMBLY_TOP "UDD32C03L01" at 31.106,117.534 h0.25
ED9500: PIN_NUMBER "2" at 155.693,13.53 h0.25 r90; PIN_NUMBER "1" at 155.713,12.273 h0.25 r90; ASSEMBLY_TOP "ESD5451N" at 155.109,12.908 h0.25 r90
ED9501: PIN_NUMBER "2" at 155.693,16.216 h0.25 r90; PIN_NUMBER "1" at 155.713,14.958 h0.25 r90; ASSEMBLY_TOP "ESD5451N" at 155.109,15.593 h0.25 r90
ED9502: PIN_NUMBER "2" at 155.592,26.88 h0.25 r90; PIN_NUMBER "1" at 155.612,25.623 h0.25 r90; ASSEMBLY_TOP "ESD5451N" at 155.008,26.258 h0.25 r90
ED9503: PIN_NUMBER "2" at 155.592,22.481 h0.25 r270; PIN_NUMBER "1" at 155.572,23.738 h0.25 r270; ASSEMBLY_TOP "ESD5451N" at 155.008,23.103 h0.25 r90
F2000: PIN_NUMBER "1" at 1.32,148.234 h0.25 r270; PIN_NUMBER "2" at 1.32,140.834 h0.25 r270; Top Overlay "JK-SMD200L" at 3.961,144.534 h0.51 r270; ASSEMBLY_TOP "JK-SMD200L" at 0.532,144.534 h0.25 r90
FB2201: PIN_NUMBER "1" at 78.427,48.311 h0.25 r90; PIN_NUMBER "2" at 78.427,49.911 h0.25 r90; ASSEMBLY_TOP "120R-100MHz" at 77.284,49.111 h0.25 r270
FB5100: PIN_NUMBER "1" at 113.148,134.747 h0.25 r90; PIN_NUMBER "2" at 113.148,136.347 h0.25 r90; ASSEMBLY_TOP "120R-100MHz" at 112.259,135.547 h0.25 r270
FB5101: PIN_NUMBER "2" at 102.811,132.741 h0.25 r270; PIN_NUMBER "1" at 102.811,134.341 h0.25 r270; ASSEMBLY_TOP "120R-100MHz" at 101.922,133.541 h0.25 r270
FB5102: PIN_NUMBER "1" at 105.77,127.242 h0.25; PIN_NUMBER "2" at 107.37,127.242 h0.25; ASSEMBLY_TOP "120R-100MHz" at 105.554,127.115 h0.25 r180
FB5103: PIN_NUMBER "1" at 104.55,137.91 h0.25; PIN_NUMBER "2" at 106.151,137.91 h0.25; ASSEMBLY_TOP "120R-100MHz" at 104.335,137.783 h0.25 r180
FB5500: PIN_NUMBER "2" at 87.863,136.894 h0.25; PIN_NUMBER "1" at 86.262,136.894 h0.25; ASSEMBLY_TOP "120R-100MHz" at 86.047,136.767 h0.25 r180
FB5501: PIN_NUMBER "2" at 82.681,138.519 h0.25; PIN_NUMBER "1" at 81.081,138.519 h0.25; ASSEMBLY_TOP "120R-100MHz" at 80.865,138.392 h0.25 r180
FB5502: PIN_NUMBER "2" at 89.412,136.894 h0.25 r180; PIN_NUMBER "1" at 91.012,136.894 h0.25 r180; ASSEMBLY_TOP "120R-100MHz" at 89.196,136.767 h0.25 r180
FB5503: PIN_NUMBER "1" at 81.081,137.097 h0.25; PIN_NUMBER "2" at 82.681,137.097 h0.25; ASSEMBLY_TOP "120R-100MHz" at 80.865,136.97 h0.25 r180
FB5504: PIN_NUMBER "2" at 86.542,125.21 h0.25; PIN_NUMBER "1" at 84.942,125.21 h0.25; ASSEMBLY_TOP "120R-100MHz" at 84.726,125.083 h0.25 r180
FB5505: PIN_NUMBER "2" at 81.894,125.438 h0.25 r180; PIN_NUMBER "1" at 83.494,125.438 h0.25 r180; ASSEMBLY_TOP "120R-100MHz" at 81.678,125.311 h0.25 r180
FB6700: PIN_NUMBER "1" at 42.621,150.328 h0.25 r180; PIN_NUMBER "2" at 41.02,150.328 h0.25 r180; ASSEMBLY_TOP "120R-100MHz" at 40.805,150.201 h0.25
FB9500: PIN_NUMBER "2" at 153.68,7.271 h0.25 r180; PIN_NUMBER "1" at 155.28,7.271 h0.25 r180; ASSEMBLY_TOP "120R-100MHz" at 153.464,7.144 h0.25
H9900: PIN_NUMBER "1" at 54.754,45.758 h0.25; ASSEMBLY_TOP "HOLE_3R20" at 53.941,45.631 h0.25
H9901: PIN_NUMBER "1" at -0.102,0 h0.25; ASSEMBLY_TOP "HOLE_3R20" at -0.914,-0.127 h0.25
H9902: PIN_NUMBER "1" at 157.378,0 h0.25; ASSEMBLY_TOP "HOLE_3R20" at 156.566,-0.127 h0.25
H9903: PIN_NUMBER "1" at -0.102,154.94 h0.25; ASSEMBLY_TOP "HOLE_3R20" at -0.914,154.813 h0.25
H9904: PIN_NUMBER "1" at 157.378,132.08 h0.25; ASSEMBLY_TOP "HOLE_3R20" at 156.566,131.953 h0.25
H9905: PIN_NUMBER "1" at -0.102,73.978 h0.25; ASSEMBLY_TOP "HOLE_3R20" at -0.914,73.851 h0.25
H9906: PIN_NUMBER "1" at 60.367,21.908 h0.25; ASSEMBLY_TOP "HOLE_3R20" at 59.554,21.781 h0.25
H9907: PIN_NUMBER "1" at 130.725,57.722 h0.25; ASSEMBLY_TOP "HOLE_3R20" at 129.912,57.595 h0.25
IR9000: PIN_NUMBER "2" at 123.977,-1.922 h0.25; PIN_NUMBER "3" at 126.466,-1.922 h0.25; PIN_NUMBER "1" at 121.488,-1.922 h0.25; ASSEMBLY_TOP "IRM_3638" at 123.266,-2.049 h0.25
J2000: PIN_NUMBER "2" at 13.856,154.784 h0.25 r270; PIN_NUMBER "3" at 19.056,154.784 h0.25 r270; PIN_NUMBER "5" at 8.878,162.544 h0.25 r270; PIN_NUMBER "4" at 21.578,162.544 h0.25 r270; PIN_NUMBER "1" at 10.656,154.784 h0.25 r270; ASSEMBLY_TOP "DC-0007-5P" at 14.268,159.034 h0.25 r90
J2001: PIN_NUMBER "2" at 16.11,143.281 h0.64 r270; PIN_NUMBER "1" at 16.11,147.481 h0.64 r270; PIN_NUMBER "3" at 10.61,147.481 h0.64 r270; PIN_NUMBER "4" at 10.61,143.281 h0.64 r270; Top Overlay "3" at 9.927,152.526 h0.25 r90; Top Overlay "4" at 6.189,140.958 h0.25; Top Overlay "2" at 20.616,142.38 h0.25; Top Overlay "ATXPOWER_4_4R20_V" at 21.317,148.878 h0.64 r270; BODY_CENTER_TOP "zy" at 13.715,150.163 h0.64 r270; ASSEMBLY_TOP "ATXPOWER_4_4R20_V" at 14.637,147.354 h0.25
J2002: PIN_NUMBER "3" at 6.519,39.612 h0.64 r90; PIN_NUMBER "2" at 6.519,34.532 h0.64 r90; PIN_NUMBER "4" at 6.519,44.692 h0.64 r90; PIN_NUMBER "1" at 6.519,29.452 h0.64 r90; Top Overlay "SATA_IDE_DIP_4Pin" at 6.773,34.532 h0.64 r90; ASSEMBLY_TOP "SATA_IDE_DIP_4Pin" at 5.173,37.072 h0.25 r90
J2100: PIN_NUMBER "1" at 129.961,96.965 h0.36 r270; PIN_NUMBER "2" at 130.646,96.965 h0.36 r270; ASSEMBLY_TOP "JM" at 130.273,96.838 h0.25
J2101: PIN_NUMBER "1" at 155.805,91.339 h0.36; PIN_NUMBER "2" at 155.805,92.024 h0.36; ASSEMBLY_TOP "JM" at 155.744,91.585 h0.25
J2102: PIN_NUMBER "2" at 131.75,93.307 h0.36 r90; PIN_NUMBER "1" at 132.436,93.307 h0.36 r90; ASSEMBLY_TOP "JM" at 132.002,93.18 h0.25
J2103: PIN_NUMBER "2" at 129.496,104.604 h0.36 r90; PIN_NUMBER "1" at 130.182,104.604 h0.36 r90; ASSEMBLY_TOP "JM" at 129.747,104.477 h0.25
J2104: PIN_NUMBER "1" at 139.167,85.84 h0.36 r90; PIN_NUMBER "2" at 138.481,85.84 h0.36 r90; ASSEMBLY_TOP "JM" at 138.733,85.713 h0.25
J2105: PIN_NUMBER "2" at 149.806,116.877 h0.36 r270; PIN_NUMBER "1" at 149.12,116.877 h0.36 r270; ASSEMBLY_TOP "JM" at 149.432,116.75 h0.25
J2200: PIN_NUMBER "2" at 81.607,48.363 h0.36 r90; PIN_NUMBER "1" at 80.921,48.363 h0.36 r90; ASSEMBLY_TOP "JM" at 81.233,48.236 h0.25 r180
J2201: PIN_NUMBER "2" at 109.227,22.695 h0.79 r270; PIN_NUMBER "1" at 127.388,22.695 h0.79 r270; ASSEMBLY_TOP "CR1220-3V" at 117.898,24.473 h0.25
J2202: PIN_NUMBER "2" at 72.818,48.49 h0.36 r90; PIN_NUMBER "1" at 72.132,48.49 h0.36 r90; ASSEMBLY_TOP "JM" at 72.445,48.363 h0.25 r180
J2203: PIN_NUMBER "2" at 90.476,90.323 h0.36; PIN_NUMBER "1" at 90.476,91.008 h0.36; ASSEMBLY_TOP "JM" at 90.415,90.508 h0.25 r180
J2500: PIN_NUMBER "B1" at 94.072,158.675 h0.51 r180; PIN_NUMBER "A12" at 92.495,156.975 h0.51 r180; PIN_NUMBER "B12" at 99.865,158.675 h0.51 r180; PIN_NUMBER "H2" at 91.582,157.785 h0.51 r180; PIN_NUMBER "H1" at 100.222,157.785 h0.51 r180; PIN_NUMBER "H3" at 100.522,163.145 h0.51 r180; PIN_NUMBER "H4" at 91.282,163.145 h0.51 r180; PIN_NUMBER "A1" at 98.902,156.975 h0.51 r180; PIN_NUMBER "B2" at 93.652,158.675 h0.51 r180; PIN_NUMBER "A2" at 98.402,156.975 h0.51 r180; PIN_NUMBER "A3" at 97.902,156.975 h0.51 r180; PIN_NUMBER "A5" at 96.902,156.975 h0.51 r180; PIN_NUMBER "A10" at 93.495,156.975 h0.51 r180; PIN_NUMBER "A11" at 92.995,156.975 h0.51 r180; PIN_NUMBER "A8" at 94.902,156.975 h0.51 r180; PIN_NUMBER "B8" at 96.652,158.675 h0.51 r180; PIN_NUMBER "A4" at 97.402,156.975 h0.51 r180; PIN_NUMBER "B9" at 97.152,158.675 h0.51 r180; PIN_NUMBER "B4" at 94.652,158.675 h0.51 r180; PIN_NUMBER "A9" at 94.402,156.975 h0.51 r180; PIN_NUMBER "B11" at 97.745,158.675 h0.51 r180; PIN_NUMBER "B10" at 97.245,158.675 h0.51 r180; PIN_NUMBER "B7" at 96.152,158.675 h0.51 r180; PIN_NUMBER "A7" at 95.402,156.975 h0.51 r180; PIN_NUMBER "B6" at 95.652,158.675 h0.51 r180; PIN_NUMBER "A6" at 96.402,156.975 h0.51 r180; PIN_NUMBER "B5" at 95.152,158.675 h0.51 r180; PIN_NUMBER "B3" at 94.152,158.675 h0.51 r180; Top Overlay "USB30_TYPE-C Receptacle" at 98.325,161.81 h0.51 r180; ASSEMBLY_TOP "USB30_TYPE-C Receptacle" at 92.041,160.655 h0.51
J2501: PIN_NUMBER "13" at 64.845,152.708 h0.64 r90; PIN_NUMBER "12" at 70.265,152.708 h0.64 r90; PIN_NUMBER "11" at 70.265,142.008 h0.64 r90; PIN_NUMBER "7" at 66.909,147.358 h0.64 r90; PIN_NUMBER "4" at 68.709,150.858 h0.64 r90; PIN_NUMBER "10" at 64.337,140.738 h0.64 r90; PIN_NUMBER "6" at 66.909,149.358 h0.64 r90; PIN_NUMBER "8" at 66.909,145.358 h0.64 r90; PIN_NUMBER "9" at 66.909,143.358 h0.64 r90; PIN_NUMBER "2" at 68.709,146.358 h0.64 r90; PIN_NUMBER "3" at 68.709,148.358 h0.64 r90; PIN_NUMBER "1" at 68.709,143.858 h0.64 r90; PIN_NUMBER "5" at 66.909,151.358 h0.64 r90; Top Overlay "USB30_A_V" at 68.063,144.818 h0.64 r90; ASSEMBLY_TOP "USB30_A_V" at 67.466,147.358 h0.25 r90
J2502: PIN_NUMBER "5" at 148.079,72.815 h0.25 r90; PIN_NUMBER "4" at 145.369,69.745 h0.25 r90; PIN_NUMBER "6" at 148.079,59.675 h0.25 r90; PIN_NUMBER "3" at 145.369,67.245 h0.25 r90; PIN_NUMBER "2" at 145.369,65.245 h0.25 r90; PIN_NUMBER "1" at 145.369,62.745 h0.25 r90; Top Overlay "4" at 143.032,70.817 h0.25 r90; Top Overlay "USB-AF-06-003" at 146.207,68.15 h0.25 r90; ASSEMBLY_TOP "USB-AF-06-003" at 145.989,67.515 h0.25 r90
J2503: PIN_NUMBER "5" at 159.687,72.891 h0.25 r90; PIN_NUMBER "4" at 156.977,69.821 h0.25 r90; PIN_NUMBER "6" at 159.687,59.751 h0.25 r90; PIN_NUMBER "1" at 156.977,62.821 h0.25 r90; PIN_NUMBER "3" at 156.977,67.321 h0.25 r90; PIN_NUMBER "2" at 156.977,65.321 h0.25 r90; Top Overlay "4" at 154.64,70.893 h0.25 r90; Top Overlay "USB-AF-06-003" at 157.815,68.226 h0.25 r90; ASSEMBLY_TOP "USB-AF-06-003" at 157.596,67.591 h0.25 r90
J5000: PIN_NUMBER "17" at 155.929,155.791 h0.64; PIN_NUMBER "5" at 150.183,155.791 h0.64; PIN_NUMBER "8" at 151.683,155.791 h0.64; PIN_NUMBER "11" at 152.929,155.791 h0.64; PIN_NUMBER "2" at 148.683,155.791 h0.64; PIN_NUMBER "23" at 159.679,162.511 h0.64; PIN_NUMBER "22" at 145.179,162.511 h0.64; PIN_NUMBER "21" at 145.179,156.551 h0.64; PIN_NUMBER "20" at 159.679,156.551 h0.64; PIN_NUMBER "13" at 153.929,155.791 h0.64; PIN_NUMBER "3" at 149.183,155.791 h0.64; PIN_NUMBER "1" at 148.183,155.791 h0.64; PIN_NUMBER "6" at 150.683,155.791 h0.64; PIN_NUMBER "10" at 152.429,155.791 h0.64; PIN_NUMBER "9" at 152.183,155.791 h0.64; PIN_NUMBER "4" at 149.683,155.791 h0.64; PIN_NUMBER "7" at 151.183,155.791 h0.64; PIN_NUMBER "12" at 153.429,155.791 h0.64; PIN_NUMBER "19" at 156.929,155.791 h0.64; PIN_NUMBER "18" at 156.429,155.791 h0.64; PIN_NUMBER "16" at 155.429,155.791 h0.64; PIN_NUMBER "15" at 154.929,155.791 h0.64; PIN_NUMBER "14" at 154.429,155.791 h0.64; ASSEMBLY_TOP "HDMI_TYPE_A" at 151.891,160.173 h0.25
J5001: PIN_NUMBER "17" at 133.475,155.791 h0.64; PIN_NUMBER "11" at 130.475,155.791 h0.64; PIN_NUMBER "5" at 127.729,155.791 h0.64; PIN_NUMBER "8" at 129.229,155.791 h0.64; PIN_NUMBER "2" at 126.229,155.791 h0.64; PIN_NUMBER "23" at 137.225,162.511 h0.64; PIN_NUMBER "22" at 122.725,162.511 h0.64; PIN_NUMBER "21" at 122.725,156.551 h0.64; PIN_NUMBER "20" at 137.225,156.551 h0.64; PIN_NUMBER "14" at 131.975,155.791 h0.64; PIN_NUMBER "4" at 127.229,155.791 h0.64; PIN_NUMBER "9" at 129.729,155.791 h0.64; PIN_NUMBER "3" at 126.729,155.791 h0.64; PIN_NUMBER "10" at 129.975,155.791 h0.64; PIN_NUMBER "12" at 130.975,155.791 h0.64; PIN_NUMBER "1" at 125.729,155.791 h0.64; PIN_NUMBER "7" at 128.729,155.791 h0.64; PIN_NUMBER "6" at 128.229,155.791 h0.64; PIN_NUMBER "19" at 134.475,155.791 h0.64; PIN_NUMBER "18" at 133.975,155.791 h0.64; PIN_NUMBER "15" at 132.475,155.791 h0.64; PIN_NUMBER "16" at 132.975,155.791 h0.64; PIN_NUMBER "13" at 131.475,155.791 h0.64; ASSEMBLY_TOP "HDMI_TYPE_A" at 129.437,160.173 h0.25
J5100: PIN_NUMBER "23" at 115.079,147.368 h0.64 r180; PIN_NUMBER "22" at 115.079,156.368 h0.64 r180; PIN_NUMBER "21" at 108.579,153.768 h0.64 r180; PIN_NUMBER "20" at 108.579,144.268 h0.64 r180; PIN_NUMBER "17" at 111.329,146.323 h0.64 r180; PIN_NUMBER "11" at 111.329,149.788 h0.64 r180; PIN_NUMBER "8" at 112.583,151.52 h0.64 r180; PIN_NUMBER "5" at 111.583,153.253 h0.64 r180; PIN_NUMBER "2" at 112.583,154.985 h0.64 r180; PIN_NUMBER "3" at 111.583,154.408 h0.64 r180; PIN_NUMBER "4" at 112.583,153.83 h0.64 r180; PIN_NUMBER "7" at 111.583,152.098 h0.64 r180; PIN_NUMBER "18" at 112.329,145.745 h0.64 r180; PIN_NUMBER "19" at 111.329,145.168 h0.64 r180; PIN_NUMBER "10" at 112.329,150.365 h0.64 r180; PIN_NUMBER "15" at 111.329,147.478 h0.64 r180; PIN_NUMBER "16" at 112.329,146.9 h0.64 r180; PIN_NUMBER "12" at 112.329,149.21 h0.64 r180; PIN_NUMBER "9" at 111.583,150.943 h0.64 r180; PIN_NUMBER "6" at 112.583,152.675 h0.64 r180; PIN_NUMBER "1" at 111.583,155.563 h0.64 r180; PIN_NUMBER "14" at 112.329,148.055 h0.64 r180; PIN_NUMBER "13" at 111.329,148.633 h0.64 r180; Top Overlay "HDMI_TYPEA_HD19-01SRHR" at 110.837,164.249 h0.64 r180; ASSEMBLY_TOP "HDMI_TYPEA_HD19-01SRHR" at 109.821,152.946 h0.25 r90